# KiCad board combined.kicad_pcb
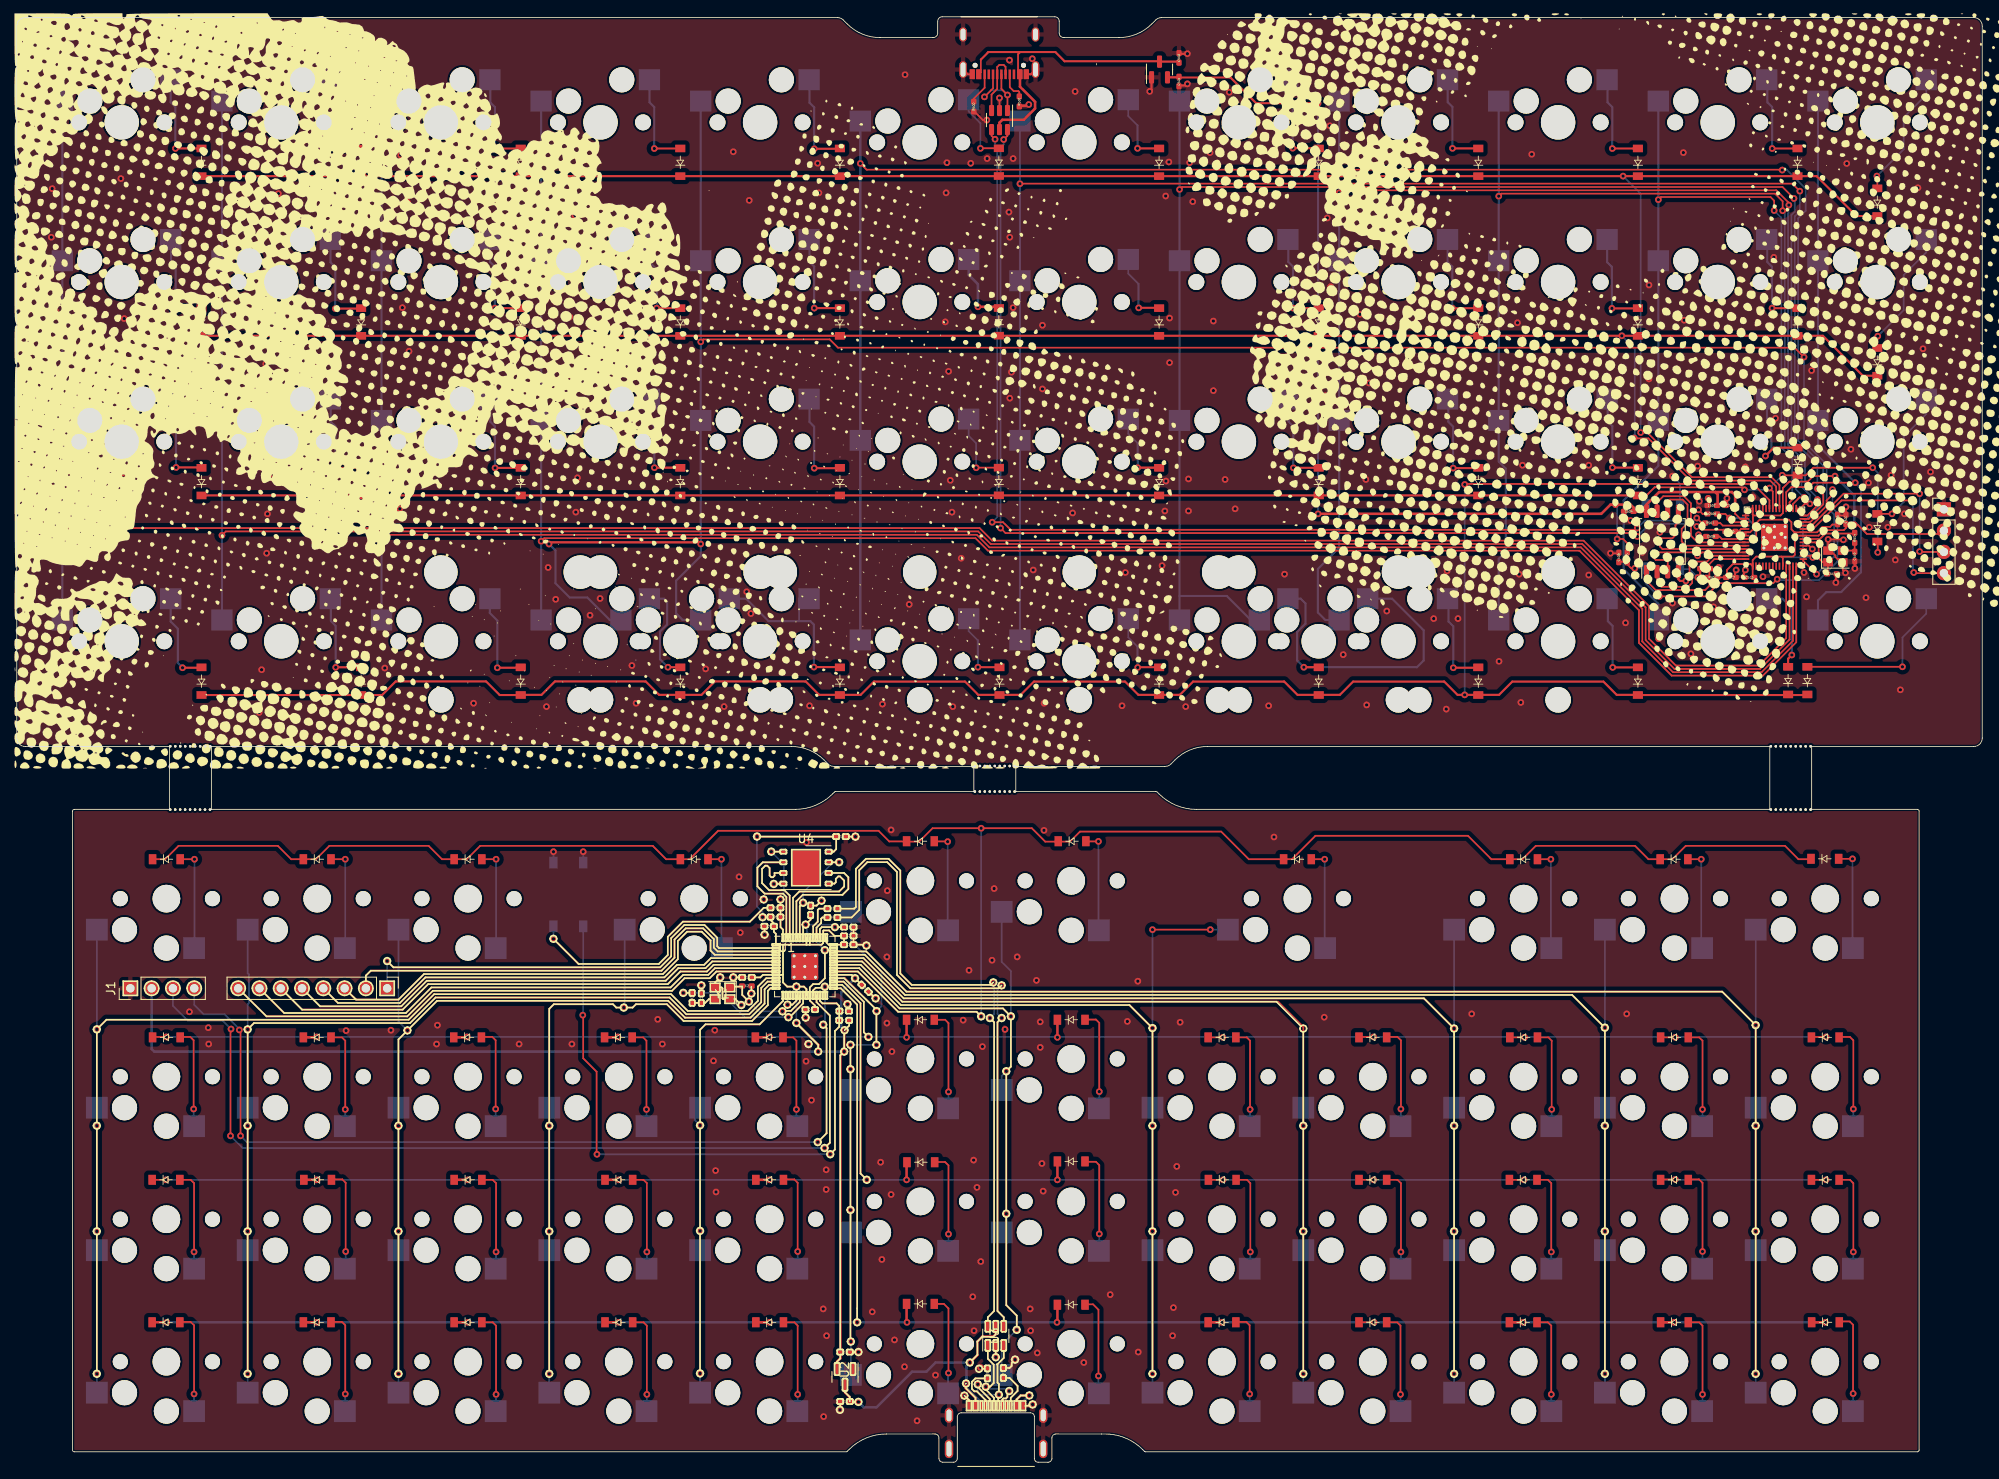
[diagram p0: board, top side]
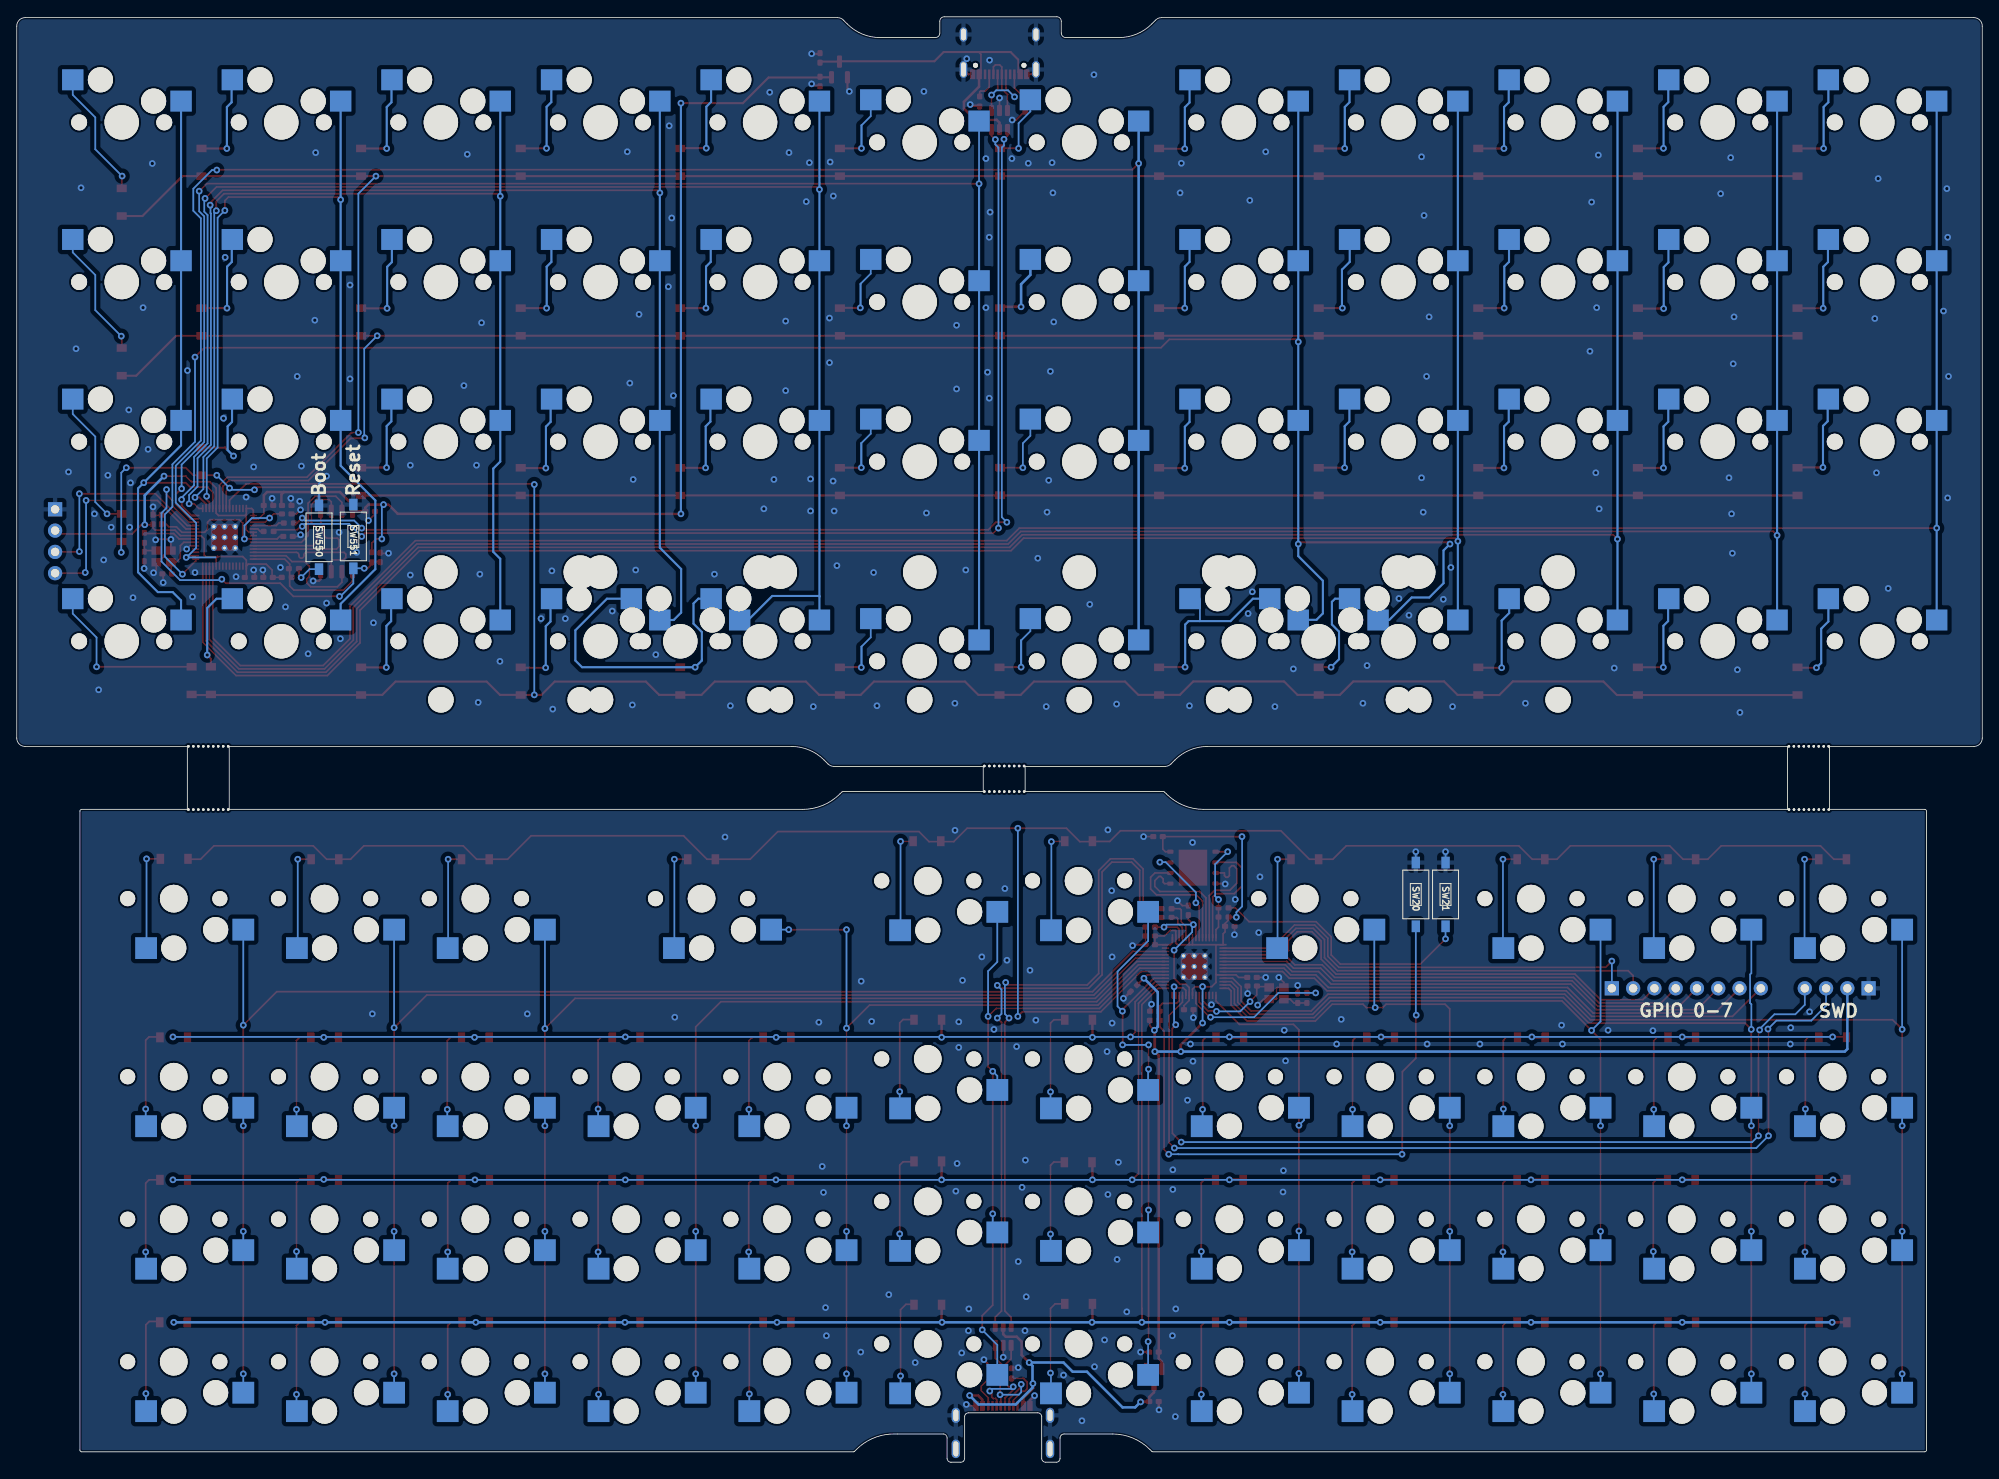
[diagram p1: board, bottom side, seen from below]

Outline 234.6 x 172.47 mm; copper layers: Top, Bottom. Coordinates in mm from the lower left corner of the outline.
Outline path: 0,171.36 0,86.4 ; 1,85.4 18.24,85.4 18.24,77.9 6.86,77.9 ; 6.66,1.45 6.66,77.7 ; 92.47,85.4 23.24,85.4 23.24,77.9 92.92,77.9 ; 96.36,83.79 96.84,83.31 ; 97.38,79.74 97.6,79.96 ; 97.54,83.02 114.24,83.02 114.24,80.02 97.74,80.02 ; 97.96,172.36 1,172.36 ; 98.98,1.25 6.86,1.25 ; 99.14,171.59 98.66,172.07 ; 99.34,1.52 99.12,1.3 ; 109.38,169.98 103.03,169.98 ; 109.61,3.37 103.8,3.37 ; 109.93,171.92 109.93,170.52 ; 110.07,0.46 110.07,2.91 ; 111.8,0 110.53,0 ; 112.26,5.43 112.26,0.46 ; 137.06,83.02 119.24,83.02 119.24,80.02 135.98,80.02 ; 121,5.9 112.72,5.9 ; 121.46,0.46 121.46,5.43 ; 123.1,0 121.92,0 ; 123.88,172.47 110.47,172.47 ; 124.43,170.52 124.43,171.92 ; 129.46,3.37 124.02,3.37 ; 131.57,169.98 124.97,169.98 ; 134.6,1.3 134.38,1.52 ; 135.94,172.07 135.46,171.59 ; 136.12,79.96 136.34,79.74 ; 137.76,83.31 138.24,83.79 ; 140.8,77.9 209.24,77.9 209.24,85.4 142.13,85.4 ; 233.6,85.4 214.24,85.4 214.24,77.9 226.86,77.9 ; 226.86,1.25 134.74,1.25 ; 227.06,77.7 227.06,1.45 ; 233.6,172.36 136.64,172.36 ; 234.6,86.4 234.6,171.36
Stack: Top 0.035mm / dielectric 0.91mm FR4 er 4.5 / Bottom 0.035mm

## Placement (name value [footprint] x y rotation side)
C2  27pF  [C_0402_HandSolder]  81.71 55.37 270 top
C2#2  27pF  [C_0402_HandSolder]  87.14 56.82 0 top
C3  100nF  [C_0402_HandSolder]  98.76 53.82 0 top
C4  100nF  [C_0402_HandSolder]  94.71 54 180 top
C5  100nF  [C_0402_HandSolder]  94.76 65.85 90 top
C6  1uF  [C_0402_HandSolder]  99.31 63.85 0 top
C7  1uF  [C_0402_HandSolder]  99.31 62.8 0 top
C8  100nF  [C_0402_HandSolder]  99.31 61.75 0 top
C9  100nF  [C_0402_HandSolder]  89.81 63.95 180 top
C10  100nF  [C_0402_HandSolder]  101.26 56.55 315 top
C11  100nF  [C_0402_HandSolder]  87.16 57.85 180 top
C12  1uF  [C_0402_HandSolder]  98.86 7.25 180 top
C13  1uF  [C_0402_HandSolder]  98.86 13.15 0 top
C14  100nF  [C_0402_HandSolder]  98.38 74.65 0 top
C500  1uF  [C_0402_HandSolder]  138.73 167.56 90 top
C501  1uF  [C_0402_HandSolder]  138.73 164.74 270 top
C502  100nF  [C_0402_HandSolder]  202.38 114.16 180 top
C503  1uF  [C_0402_HandSolder]  204.56 114.16 180 top
C504  100nF  [C_0402_HandSolder]  192.41 113.45 180 top
C505  1uF  [C_0402_HandSolder]  202.38 113.15 180 top
C506  100nF  [C_0402_HandSolder]  217.34 112.49 90 top
C507  100nF  [C_0402_HandSolder]  218.34 112.49 90 top
C508  100nF  [C_0402_HandSolder]  202.23 110.46 180 top
C509  100nF  [C_0402_HandSolder]  191.23 107.96 90 top
C510  27pF  [C_0402_HandSolder]  219.39 108.07 90 top
C511  27pF  [C_0402_HandSolder]  216.65 106 180 top
C512  100nF  [C_0402_HandSolder]  204.61 105.57 0 top
C513  100nF  [C_0402_HandSolder]  206.82 105.57 180 top
D1  D  [D_SOD-123]  215.89 16.7 0 top
D2  D  [D_SOD-123]  215.86 33.7 0 top
D3  D  [D_SOD-123]  215.86 50.7 0 top
D4  D  [D_SOD-123]  215.81 72 0 top
D5  D  [D_SOD-123]  197.86 16.7 0 top
D6  D  [D_SOD-123]  197.86 33.7 0 top
D7  D  [D_SOD-123]  197.86 50.7 0 top
D8  D  [D_SOD-123]  197.81 71.95 0 top
D9  D  [D_SOD-123]  179.86 71.95 0 top
D10  D  [D_SOD-123]  179.81 16.7 0 top
D11  D  [D_SOD-123]  179.81 33.7 0 top
D12  D  [D_SOD-123]  179.86 50.7 0 top
D13  D  [D_SOD-123]  161.86 16.7 0 top
D14  D  [D_SOD-123]  161.86 33.7 0 top
D15  D  [D_SOD-123]  161.86 50.7 0 top
D16  D  [D_SOD-123]  143.86 16.7 0 top
D17  D  [D_SOD-123]  143.89 33.7 0 top
D18  D  [D_SOD-123]  143.86 50.7 0 top
D19  D  [D_SOD-123]  152.86 71.95 0 top
D20  D  [D_SOD-123]  125.86 18.8 0 top
D21  D  [D_SOD-123]  125.86 35.9 0 top
D22  D  [D_SOD-123]  125.86 52.8 0 top
D23  D  [D_SOD-123]  125.96 74.1 0 top
D24  D  [D_SOD-123]  107.86 18.9 0 top
D25  D  [D_SOD-123]  107.91 35.8 0 top
D26  D  [D_SOD-123]  107.86 52.8 0 top
D27  D  [D_SOD-123]  107.86 74.1 0 top
D28  D  [D_SOD-123]  89.86 16.7 0 top
D29  D  [D_SOD-123]  89.86 33.7 0 top
D30  D  [D_SOD-123]  89.81 50.7 0 top
D32  D  [D_SOD-123]  71.86 16.7 0 top
D33  D  [D_SOD-123]  71.86 33.7 0 top
D34  D  [D_SOD-123]  71.81 50.7 0 top
D35  D  [D_SOD-123]  53.86 16.7 0 top
D36  D  [D_SOD-123]  53.86 33.7 0 top
D37  D  [D_SOD-123]  53.81 50.7 0 top
D38  D  [D_SOD-123]  53.86 71.95 0 top
D39  D  [D_SOD-123]  35.86 16.7 0 top
D40  D  [D_SOD-123]  35.91 33.7 0 top
D41  D  [D_SOD-123]  35.86 50.7 0 top
D42  D  [D_SOD-123]  35.86 71.95 0 top
D43  D  [D_SOD-123]  17.81 16.7 0 top
D44  D  [D_SOD-123]  17.81 33.7 0 top
D45  D  [D_SOD-123]  17.86 50.7 0 top
D46  D  [D_SOD-123]  17.86 71.95 0 top
D48  D  [D_SOD-123]  80.86 71.95 0 top
D500  D  [D_SOD-123]  22.05 155.1 90 top
D501  D  [D_SOD-123]  41.1 155.1 90 top
D502  D  [D_SOD-123]  60.15 155.1 90 top
D503  D  [D_SOD-123]  79.2 155.1 90 top
D504  D  [D_SOD-123]  98.25 155.1 90 top
D505  D  [D_SOD-123]  117.23 155.12 90 top
D506  D  [D_SOD-123]  136.35 155.1 90 top
D507  D  [D_SOD-123]  155.4 155.1 90 top
D508  D  [D_SOD-123]  174.45 155.1 90 top
D509  D  [D_SOD-123]  193.5 155.1 90 top
D510  D  [D_SOD-123]  212.55 155.1 90 top
D511  D  [D_SOD-123]  222.08 150.34 90 top
D512  D  [D_SOD-123]  22.05 136.05 90 top
D513  D  [D_SOD-123]  41.1 136.05 90 top
D514  D  [D_SOD-123]  60.15 136.05 90 top
D515  D  [D_SOD-123]  79.2 136.05 90 top
D516  D  [D_SOD-123]  98.25 136.05 90 top
D517  D  [D_SOD-123]  117.23 136.07 90 top
D518  D  [D_SOD-123]  136.35 136.05 90 top
D519  D  [D_SOD-123]  155.4 136.05 90 top
D520  D  [D_SOD-123]  174.45 136.05 90 top
D521  D  [D_SOD-123]  193.5 136.05 90 top
D522  D  [D_SOD-123]  212.55 136.05 90 top
D523  D  [D_SOD-123]  222.08 131.29 90 top
D524  D  [D_SOD-123]  212.56 119.4 90 top
D525  D  [D_SOD-123]  22.05 117 90 top
D526  D  [D_SOD-123]  41.1 117 90 top
D527  D  [D_SOD-123]  60.15 117 90 top
D528  D  [D_SOD-123]  79.2 117 90 top
D529  D  [D_SOD-123]  98.25 117 90 top
D530  D  [D_SOD-123]  117.23 117.02 90 top
D531  D  [D_SOD-123]  136.35 117 90 top
D532  D  [D_SOD-123]  155.4 117 90 top
D533  D  [D_SOD-123]  174.45 117 90 top
D534  D  [D_SOD-123]  193.5 117 90 top
D535  D  [D_SOD-123]  222.08 111.51 90 top
D536  D  [D_SOD-123]  22.05 93.19 90 top
D537  D  [D_SOD-123]  41.1 93.19 90 top
D538  D  [D_SOD-123]  60.15 93.19 90 top
D539  D  [D_SOD-123]  79.2 93.19 90 top
D540  D  [D_SOD-123]  98.25 93.19 90 top
D541  D  [D_SOD-123]  117.3 93.19 90 top
D542  D  [D_SOD-123]  136.35 93.19 90 top
D543  D  [D_SOD-123]  155.4 93.19 90 top
D544  D  [D_SOD-123]  174.45 93.19 90 top
D545  D  [D_SOD-123]  193.5 93.19 90 top
D546  D  [D_SOD-123]  211.43 93.26 90 top
D547  D  [D_SOD-123]  213.73 93.26 90 top
G***  -  [LOGO]  130.24 127.82 0 top
J1  BL_CONN  [PinHeader_1x04_P2.54mm_Vertical]  13.56 56.55 90 top
J3  USB_C_Receptacle_USB2.0  [USB-C-12-Pin-MidMount]  116.89 -0.5 180 top
J4  Conn_01x08  [PinHeader_1x08_P2.54mm_Vertical]  44.21 56.55 270 top
J500  USB_C_Receptacle_USB2.0  [USB C-31-M-12]  117.28 166.67 180 top
J501  BL_CONN  [PinHeader_1x04_P2.54mm_Vertical]  230.03 113.7 0 top
R1  1k  [R_0402_HandSolder]  98.76 52.72 180 top
R2  1k  [R_0402_HandSolder]  80.61 55.4 90 top
R3  27R  [R_0402_HandSolder]  97.36 66.05 0 top
R4  27R  [R_0402_HandSolder]  97.36 65 0 top
R5  1k  [R_0402_HandSolder]  90.56 66.15 180 top
R6  5.1k  [R_0402_HandSolder]  115.86 10.6 90 top
R7  5.1k  [R_0402_HandSolder]  117.76 10.65 90 top
R8  10k  [R_0402_HandSolder]  90.56 65.05 180 top
R500  5.1k  [R_0402_HandSolder]  114.23 161.74 270 top
R501  5.1k  [R_0402_HandSolder]  119.67 162.36 270 top
R502  27R  [R_0402_HandSolder]  202.13 112.06 180 top
R503  27R  [R_0402_HandSolder]  204.54 111.06 180 top
R504  1k  [R_0402_HandSolder]  219.38 110.3 90 top
R505  1k  [R_0402_HandSolder]  192.23 107.96 270 top
R506  1k  [R_0402_HandSolder]  201.53 106.62 180 top
R507  10k  [R_0402_HandSolder]  202.38 105.58 0 top
REF**  -  [Breakaway_Tabs]  20.69 77.87 0 top
REF**#2  -  [Breakaway_Tabs]  116.73 80.02 0 top
REF**#3  -  [Breakaway_Tabs]  211.74 77.87 0 top
REF**#4  -  [Breakaway_Tabs]  211.74 85.42 0 top
REF**#5  -  [Breakaway_Tabs]  20.7 85.42 0 top
REF**#6  -  [Breakaway_Tabs]  116.74 83.07 0 top
SW1  SW_Push  [ChocV1_V2_Hotswap]  215.86 12 0 top
SW2  SW_Push  [ChocV1_V2_Hotswap]  215.86 29 0 top
SW3  SW_Push  [ChocV1_V2_Hotswap]  215.86 46 0 top
SW4  SW_Push  [ChocV1_V2_Hotswap]  215.86 67.25 0 top
SW5  SW_Push  [ChocV1_V2_Hotswap]  197.86 12 0 top
SW6  SW_Push  [ChocV1_V2_Hotswap]  197.86 29 0 top
SW7  SW_Push  [ChocV1_V2_Hotswap]  197.86 46 0 top
SW8  SW_Push  [ChocV1_V2_Hotswap]  197.86 67.25 0 top
SW9  SW_Push  [ChocV1_V2_Hotswap]  179.86 12 0 top
SW10  SW_Push  [ChocV1_V2_Hotswap]  179.86 29 0 top
SW11  SW_Push  [ChocV1_V2_Hotswap]  179.86 46 0 top
SW12  SW_Push  [ChocV1_V2_Hotswap]  179.86 67.25 0 top
SW13  SW_Push  [ChocV1_V2_Hotswap]  161.86 12 0 top
SW14  SW_Push  [ChocV1_V2_Hotswap]  161.86 29 0 top
SW15  SW_Push  [ChocV1_V2_Hotswap]  161.86 46 0 top
SW16  SW_Push  [ChocV1_V2_Hotswap]  143.86 12 0 top
SW17  SW_Push  [ChocV1_V2_Hotswap]  143.86 29 0 top
SW18  SW_Push  [ChocV1_V2_Hotswap]  143.86 46 0 top
SW20  SW_Push  [Micro_Push_Button_3x6x2.5mm]  67.61 67.75 270 bottom
SW21  SW_Push  [Micro_Push_Button_3x6x2.5mm]  64.06 67.75 270 bottom
SW23  SW_Push  [ChocV1_V2_Hotswap]  125.86 14.12 0 top
SW24  SW_Push  [ChocV1_V2_Hotswap]  125.86 31.12 0 top
SW25  SW_Push  [ChocV1_V2_Hotswap]  125.86 48.12 0 top
SW26  SW_Push  [ChocV1_V2_Hotswap]  125.86 69.37 0 top
SW29  SW_Push  [ChocV1_V2_Hotswap_2u]  152.86 67.25 0 top
SW30  SW_Push  [ChocV1_V2_Hotswap]  107.86 14.12 0 top
SW31  SW_Push  [ChocV1_V2_Hotswap]  107.86 31.12 0 top
SW32  SW_Push  [ChocV1_V2_Hotswap]  107.86 48.12 0 top
SW33  SW_Push  [ChocV1_V2_Hotswap]  107.86 69.37 0 top
SW34  SW_Push  [ChocV1_V2_Hotswap_2u]  80.86 67.25 0 top
SW37  SW_Push  [ChocV1_V2_Hotswap]  89.86 12 0 top
SW38  SW_Push  [ChocV1_V2_Hotswap]  89.86 29 0 top
SW39  SW_Push  [ChocV1_V2_Hotswap]  89.86 46 0 top
SW41  SW_Push  [ChocV1_V2_Hotswap]  71.86 12 0 top
SW42  SW_Push  [ChocV1_V2_Hotswap]  71.86 29 0 top
SW43  SW_Push  [ChocV1_V2_Hotswap]  71.86 46 0 top
SW44  SW_Push  [ChocV1_V2_Hotswap]  53.86 12 0 top
SW45  SW_Push  [ChocV1_V2_Hotswap]  53.86 29 0 top
SW46  SW_Push  [ChocV1_V2_Hotswap]  53.86 46 0 top
SW47  SW_Push  [ChocV1_V2_Hotswap]  53.86 67.25 0 top
SW48  SW_Push  [ChocV1_V2_Hotswap]  35.86 12 0 top
SW49  SW_Push  [ChocV1_V2_Hotswap]  35.86 29 0 top
SW50  SW_Push  [ChocV1_V2_Hotswap]  35.86 46 0 top
SW51  SW_Push  [ChocV1_V2_Hotswap]  35.86 67.25 0 top
SW52  SW_Push  [ChocV1_V2_Hotswap]  17.86 12 0 top
SW53  SW_Push  [ChocV1_V2_Hotswap]  17.86 29 0 top
SW54  SW_Push  [ChocV1_V2_Hotswap]  17.86 46 0 top
SW55  SW_Push  [ChocV1_V2_Hotswap]  17.86 67.25 0 top
SW500  SW_Push  [CherryMX_Hotswap]  12.53 159.86 0 top
SW501  SW_Push  [CherryMX_Hotswap]  31.58 159.86 0 top
SW502  SW_Push  [CherryMX_Hotswap]  50.63 159.86 0 top
SW503  SW_Push  [CherryMX_Hotswap]  69.68 159.86 0 top
SW504  SW_Push  [CherryMX_Hotswap]  88.73 159.86 0 top
SW505  SW_Push  [CherryMX_Hotswap]  145.88 159.86 0 top
SW506  SW_Push  [CherryMX_Hotswap]  164.93 159.86 0 top
SW507  SW_Push  [CherryMX_Hotswap]  183.98 159.86 0 top
SW508  SW_Push  [CherryMX_Hotswap]  203.03 159.86 0 top
SW509  SW_Push  [CherryMX_Hotswap]  222.08 159.86 0 top
SW510  SW_Push  [CherryMX_Hotswap]  107.78 157.48 0 top
SW511  SW_Push  [CherryMX_Hotswap]  126.83 157.48 0 top
SW512  SW_Push  [CherryMX_Hotswap]  12.53 140.81 0 top
SW513  SW_Push  [CherryMX_Hotswap]  31.58 140.81 0 top
SW514  SW_Push  [CherryMX_Hotswap]  50.63 140.81 0 top
SW515  SW_Push  [CherryMX_Hotswap]  69.68 140.81 0 top
SW516  SW_Push  [CherryMX_Hotswap]  88.73 140.81 0 top
SW517  SW_Push  [CherryMX_Hotswap]  145.88 140.81 0 top
SW518  SW_Push  [CherryMX_Hotswap]  164.93 140.81 0 top
SW519  SW_Push  [CherryMX_Hotswap]  183.98 140.81 0 top
SW520  SW_Push  [CherryMX_Hotswap]  203.03 140.81 0 top
SW521  SW_Push  [CherryMX_Hotswap]  222.08 140.81 0 top
SW522  SW_Push  [CherryMX_Hotswap]  107.78 138.43 0 top
SW523  SW_Push  [CherryMX_Hotswap]  126.83 138.43 0 top
SW524  SW_Push  [CherryMX_Hotswap]  12.53 121.76 0 top
SW525  SW_Push  [CherryMX_Hotswap]  31.58 121.76 0 top
SW526  SW_Push  [CherryMX_Hotswap]  50.63 121.76 0 top
SW527  SW_Push  [CherryMX_Hotswap]  69.68 121.76 0 top
SW528  SW_Push  [CherryMX_Hotswap]  88.73 121.76 0 top
SW529  SW_Push  [CherryMX_Hotswap]  145.88 121.76 0 top
SW530  SW_Push  [CherryMX_Hotswap]  164.93 121.76 0 top
SW531  SW_Push  [CherryMX_Hotswap]  183.98 121.76 0 top
SW532  SW_Push  [CherryMX_Hotswap]  203.03 121.76 0 top
SW533  SW_Push  [CherryMX_Hotswap]  222.08 121.76 0 top
SW534  SW_Push  [CherryMX_Hotswap]  107.78 119.38 0 top
SW535  SW_Push  [CherryMX_Hotswap]  126.83 119.38 0 top
SW536  SW_Push  [CherryMX_Hotswap]  12.53 97.95 0 top
SW537  SW_Push  [CherryMX_Hotswap]  31.58 97.95 0 top
SW538  SW_Push  [CherryMX_Hotswap]  50.63 97.95 0 top
SW539  SW_Push  [CherryMX_Hotswap_3u_stabs]  69.68 97.95 0 top
SW540  SW_Push  [CherryMX_Hotswap_2u_stabs]  79.2 97.95 0 top
SW541  SW_Push  [CherryMX_Hotswap_3u_stabs]  88.73 97.95 0 top
SW542  SW_Push  [CherryMX_Hotswap_3u_stabs]  145.88 97.95 0 top
SW543  SW_Push  [CherryMX_Hotswap_2u_stabs]  155.4 97.95 0 top
SW544  SW_Push  [CherryMX_Hotswap_3u_stabs]  164.93 97.95 0 top
SW545  SW_Push  [CherryMX_Hotswap]  183.98 97.95 0 top
SW546  SW_Push  [CherryMX_Hotswap]  203.03 97.95 0 top
SW547  SW_Push  [CherryMX_Hotswap]  222.08 97.95 0 top
SW548  SW_Push  [CherryMX_Hotswap]  107.78 95.57 0 top
SW549  SW_Push  [CherryMX_Hotswap]  126.83 95.57 0 top
SW550  SW_Push  [Micro_Push_Button_3x6x2.5mm]  198.53 110.36 270 bottom
SW551  SW_Push  [Micro_Push_Button_3x6x2.5mm]  194.43 110.46 270 bottom
U1  RP2040  [RP2040-QFN-56]  94.06 59.15 0 top
U2  XC6206PxxxMR  [SOT-23]  98.86 10.18 270 top
U3  USBLC6-2SC6  [SOT-23-6]  116.86 15.08 90 top
U4  W25Q128JVS  [WSON-8-1EP_6x5mm_P1.27mm_EP3.4x4.3mm]  94.21 70.94 0 top
U500  XC6206PxxxMR  [SOT-23]  136.4 166.18 90 top
U501  USBLC6-2SC6  [SOT-23-6]  117.3 160.14 270 top
U502  W25Q128JVS  [SOIC-8_5.23x5.23mm_P1.27mm]  196.43 109.86 90 top
U503  RP2040  [RP2040-QFN-56#2]  209.8 110.36 90 top
Y1  Crystal_GND24_Small  [Crystal_SMD_2520-4Pin_2.5x2.0mm]  84.24 55.95 180 top
Y500  Crystal_GND24_Small  [Crystal_SMD_2520-4Pin_2.5x2.0mm]  217.08 108.08 0 top

## Footprints (pads in the part's own frame, mm; a bottom-side part is the same pattern mirrored in y, then rotated)
Breakaway_Tabs
  round 0.3 hole 0.3 unplated: (-2.375,0) (-1.781,0) (-1.188,0) (-0.594,0) (0,0) (0.594,0) (1.188,0) (1.781,0) (2.375,0)
C_0402_HandSolder
  rrect 0.735x0.62 smd: 1(-0.568,0) 2(0.568,0)
CherryMX_Hotswap
  round 1.9 hole 1.9 unplated: (-5.08,0) (5.08,0)
  round 3 hole 3 unplated: (-3.81,2.54) (2.54,5.08)
  round 4.1 hole 4.1 unplated: (0,0)
  rect 2.55x2.5 smd far side: 1(-7.085,2.54) 2(5.842,5.08)
CherryMX_Hotswap_2u_stabs
  round 3.988 hole 3.988 unplated: (-11.938,8.255) (11.938,8.255)
  round 3.048 hole 3.048 unplated: (-11.938,-6.985) (11.938,-6.985)
  round 1.9 hole 1.9 unplated: (-5.08,0) (5.08,0)
  round 3 hole 3 unplated: (-3.81,2.54) (2.54,5.08)
  round 4.1 hole 4.1 unplated: (0,0)
  rect 2.55x2.5 smd far side: 1(-7.085,2.54) 2(5.842,5.08)
CherryMX_Hotswap_3u_stabs
  round 3.988 hole 3.988 unplated: (-19.05,8.255) (19.05,8.255)
  round 3.048 hole 3.048 unplated: (-19.05,-6.985) (19.05,-6.985)
  round 1.9 hole 1.9 unplated: (-5.08,0) (5.08,0)
  round 3 hole 3 unplated: (-3.81,2.54) (2.54,5.08)
  round 4.1 hole 4.1 unplated: (0,0)
  rect 2.55x2.5 smd far side: 1(-7.085,2.54) 2(5.842,5.08)
ChocV1_V2_Hotswap
  round 1.8 hole 1.8 unplated: (-5.5,0) (5.5,0)
  round 3 hole 3 unplated: (-5,-3.7) (0,-5.9)
  round 3.3 hole 3.3 unplated: (0,0)
  rect 2.6x2.6 smd far side: 1(-8.3,-3.7) 2(3.3,-5.9)
ChocV1_V2_Hotswap_2u
  round 1.8 hole 1.8 unplated: (-5.5,0) (5.5,0)
  round 3 hole 3 unplated: (-5,-3.7) (0,-5.9)
  round 3.3 hole 3.3 unplated: (0,0)
  rect 2.6x2.6 smd far side: 1(-8.3,-3.7) 2(3.3,-5.9)
Crystal_SMD_2520-4Pin_2.5x2.0mm
  rect 1.15x1 smd: 1(-0.875,-0.7) 2(0.875,-0.7) 3(0.875,0.7) 4(-0.875,0.7)
D_SOD-123
  rect 0.9x1.2 smd: 1(-1.65,0) 2(1.65,0)
Micro_Push_Button_3x6x2.5mm
  rect 1.4x1 smd: 1(-3.8,0) 2(3.8,0)
PinHeader_1x04_P2.54mm_Vertical
  rect 1.7x1.7 hole 1: 1(0,0)
  oval 1.7x1.7 hole 1: 2(0,-2.54) 3(0,-5.08) 4(0,-7.62)
PinHeader_1x08_P2.54mm_Vertical
  rect 1.7x1.7 hole 1: 1(0,0)
  oval 1.7x1.7 hole 1: 2(0,-2.54) 3(0,-5.08) 4(0,-7.62) 5(0,-10.16) 6(0,-12.7) 7(0,-15.24) 8(0,-17.78)
R_0402_HandSolder
  rrect 0.715x0.64 smd: 1(-0.598,0) 2(0.598,0)
RP2040-QFN-56
  rrect 1.084x1.084 smd: (-0.637,0.637) (-0.637,-0.637) (0.637,0.637) (0.637,-0.637)
  rrect 0.875x0.2 smd: 1(-3.438,2.6) 2(-3.438,2.2) 3(-3.438,1.8) 4(-3.438,1.4) 5(-3.438,1) 6(-3.438,0.6) 7(-3.438,0.2) 8(-3.438,-0.2) 9(-3.438,-0.6) 10(-3.438,-1) 11(-3.438,-1.4) 12(-3.438,-1.8) 13(-3.438,-2.2) 14(-3.438,-2.6) 29(3.438,-2.6) 30(3.438,-2.2) 31(3.438,-1.8) 32(3.438,-1.4) 33(3.438,-1) 34(3.438,-0.6) 35(3.438,-0.2) 36(3.438,0.2) 37(3.438,0.6) 38(3.438,1) 39(3.438,1.4) 40(3.438,1.8) 41(3.438,2.2) 42(3.438,2.6)
  rrect 0.2x0.875 smd: 15(-2.6,-3.438) 16(-2.2,-3.438) 17(-1.8,-3.438) 18(-1.4,-3.438) 19(-1,-3.438) 20(-0.6,-3.438) 21(-0.2,-3.438) 22(0.2,-3.438) 23(0.6,-3.438) 24(1,-3.438) 25(1.4,-3.438) 26(1.8,-3.438) 27(2.2,-3.438) 28(2.6,-3.438) 43(2.6,3.438) 44(2.2,3.438) 45(1.8,3.438) 46(1.4,3.438) 47(1,3.438) 48(0.6,3.438) 49(0.2,3.438) 50(-0.2,3.438) 51(-0.6,3.438) 52(-1,3.438) 53(-1.4,3.438) 54(-1.8,3.438) 55(-2.2,3.438) 56(-2.6,3.438)
  round 0.65 hole 0.35: 57(-1.275,1.275) 57(-1.275,0) 57(-1.275,-1.275) 57(0,1.275) 57(0,0) 57(0,-1.275) 57(1.275,1.275) 57(1.275,0) 57(1.275,-1.275)
  rrect 3.2x3.2 smd: 57(0,0)
RP2040-QFN-56#2
  rrect 1.084x1.084 smd: (-0.637,0.637) (-0.637,-0.637) (0.637,0.637) (0.637,-0.637)
  rrect 0.875x0.2 smd: 1(-3.438,2.6) 2(-3.438,2.2) 3(-3.438,1.8) 4(-3.438,1.4) 5(-3.438,1) 6(-3.438,0.6) 7(-3.438,0.2) 8(-3.438,-0.2) 9(-3.438,-0.6) 10(-3.438,-1) 11(-3.438,-1.4) 12(-3.438,-1.8) 13(-3.438,-2.2) 14(-3.438,-2.6) 29(3.438,-2.6) 30(3.438,-2.2) 31(3.438,-1.8) 32(3.438,-1.4) 33(3.438,-1) 34(3.438,-0.6) 35(3.438,-0.2) 36(3.438,0.2) 37(3.438,0.6) 38(3.438,1) 39(3.438,1.4) 40(3.438,1.8) 41(3.438,2.2) 42(3.438,2.6)
  rrect 0.2x0.875 smd: 15(-2.6,-3.438) 16(-2.2,-3.438) 17(-1.8,-3.438) 18(-1.4,-3.438) 19(-1,-3.438) 20(-0.6,-3.438) 21(-0.2,-3.438) 22(0.2,-3.438) 23(0.6,-3.438) 24(1,-3.438) 25(1.4,-3.438) 26(1.8,-3.438) 27(2.2,-3.438) 28(2.6,-3.438) 43(2.6,3.438) 44(2.2,3.438) 45(1.8,3.438) 46(1.4,3.438) 47(1,3.438) 48(0.6,3.438) 49(0.2,3.438) 50(-0.2,3.438) 51(-0.6,3.438) 52(-1,3.438) 53(-1.4,3.438) 54(-1.8,3.438) 55(-2.2,3.438) 56(-2.6,3.438)
  round 0.7 hole 0.35: 57(-1.275,1.275) 57(-1.275,0) 57(-1.275,-1.275) 57(0,1.275) 57(0,0) 57(0,-1.275) 57(1.275,1.275) 57(1.275,0) 57(1.275,-1.275)
  rrect 3.2x3.2 smd: 57(0,0)
SOIC-8_5.23x5.23mm_P1.27mm
  rrect 1.6x0.6 smd: 1(-3.6,1.905) 2(-3.6,0.635) 3(-3.6,-0.635) 4(-3.6,-1.905) 5(3.6,-1.905) 6(3.6,-0.635) 7(3.6,0.635) 8(3.6,1.905)
SOT-23
  rrect 1.475x0.6 smd: 1(-0.938,0.95) 2(-0.938,-0.95) 3(0.938,0)
SOT-23-6
  rrect 1.325x0.6 smd: 1(-1.137,0.95) 2(-1.137,0) 3(-1.137,-0.95) 4(1.137,-0.95) 5(1.137,0) 6(1.137,0.95)
USB C-31-M-12
  round 0.6 hole 0.6 unplated: (-2.89,0) (2.89,0)
  rect 0.6x1.15 smd: A1(-3.225,1.07) A4(-2.45,1.07) A9(2.45,1.07) A12(3.225,1.07) B1(3.225,1.07) B4(2.45,1.07) B9(-2.45,1.07) B12(-3.225,1.07)
  rect 0.3x1.15 smd: A5(-1.25,1.07) A6(-0.25,1.07) A7(0.25,1.07) A8(1.25,1.07) B5(1.75,1.07) B6(0.75,1.07) B7(-0.75,1.07) B8(-1.75,1.07)
  oval 0.9x2 hole 0.6x1.7: S1(-4.325,0.5) S1(4.325,0.5)
  oval 0.9x1.7 hole 0.6x1.4: S1(-4.325,-3.68) S1(4.325,-3.68)
USB-C-12-Pin-MidMount
  rect 0.6x1.15 smd: A1(3.225,-7.235) A4(2.45,-7.235) A9(-2.45,-7.235) A12(-3.225,-7.235) B1(-3.225,-7.235) B4(-2.45,-7.235) B9(2.45,-7.235) B12(3.225,-7.235)
  rect 0.3x1.15 smd: A5(1.25,-7.235) A6(0.25,-7.235) A7(-0.25,-7.235) A8(-1.25,-7.235) B5(-1.75,-7.235) B6(-0.75,-7.235) B7(0.75,-7.235) B8(1.75,-7.235)
  oval 1x2.2 hole 0.6x1.8: S1(-5.62,-2.1) S1(5.62,-2.1)
  oval 1x1.8 hole 0.6x1.4: S1(-5.62,-6.1) S1(5.62,-6.1)
WSON-8-1EP_6x5mm_P1.27mm_EP3.4x4.3mm
  rrect 1.37x1.73 smd: (-0.85,1.075) (-0.85,-1.075) (0.85,1.075) (0.85,-1.075)
  rrect 0.75x0.5 smd: 1(-2.7,1.905) 2(-2.7,0.635) 3(-2.7,-0.635) 4(-2.7,-1.905) 5(2.7,-1.905) 6(2.7,-0.635) 7(2.7,0.635) 8(2.7,1.905)
  rect 3.4x4.3 smd: 9(0,0)
